# Altium PCB LimeSDR-QPCIe_1v2.PcbDoc (part 1 of 21) (continued)
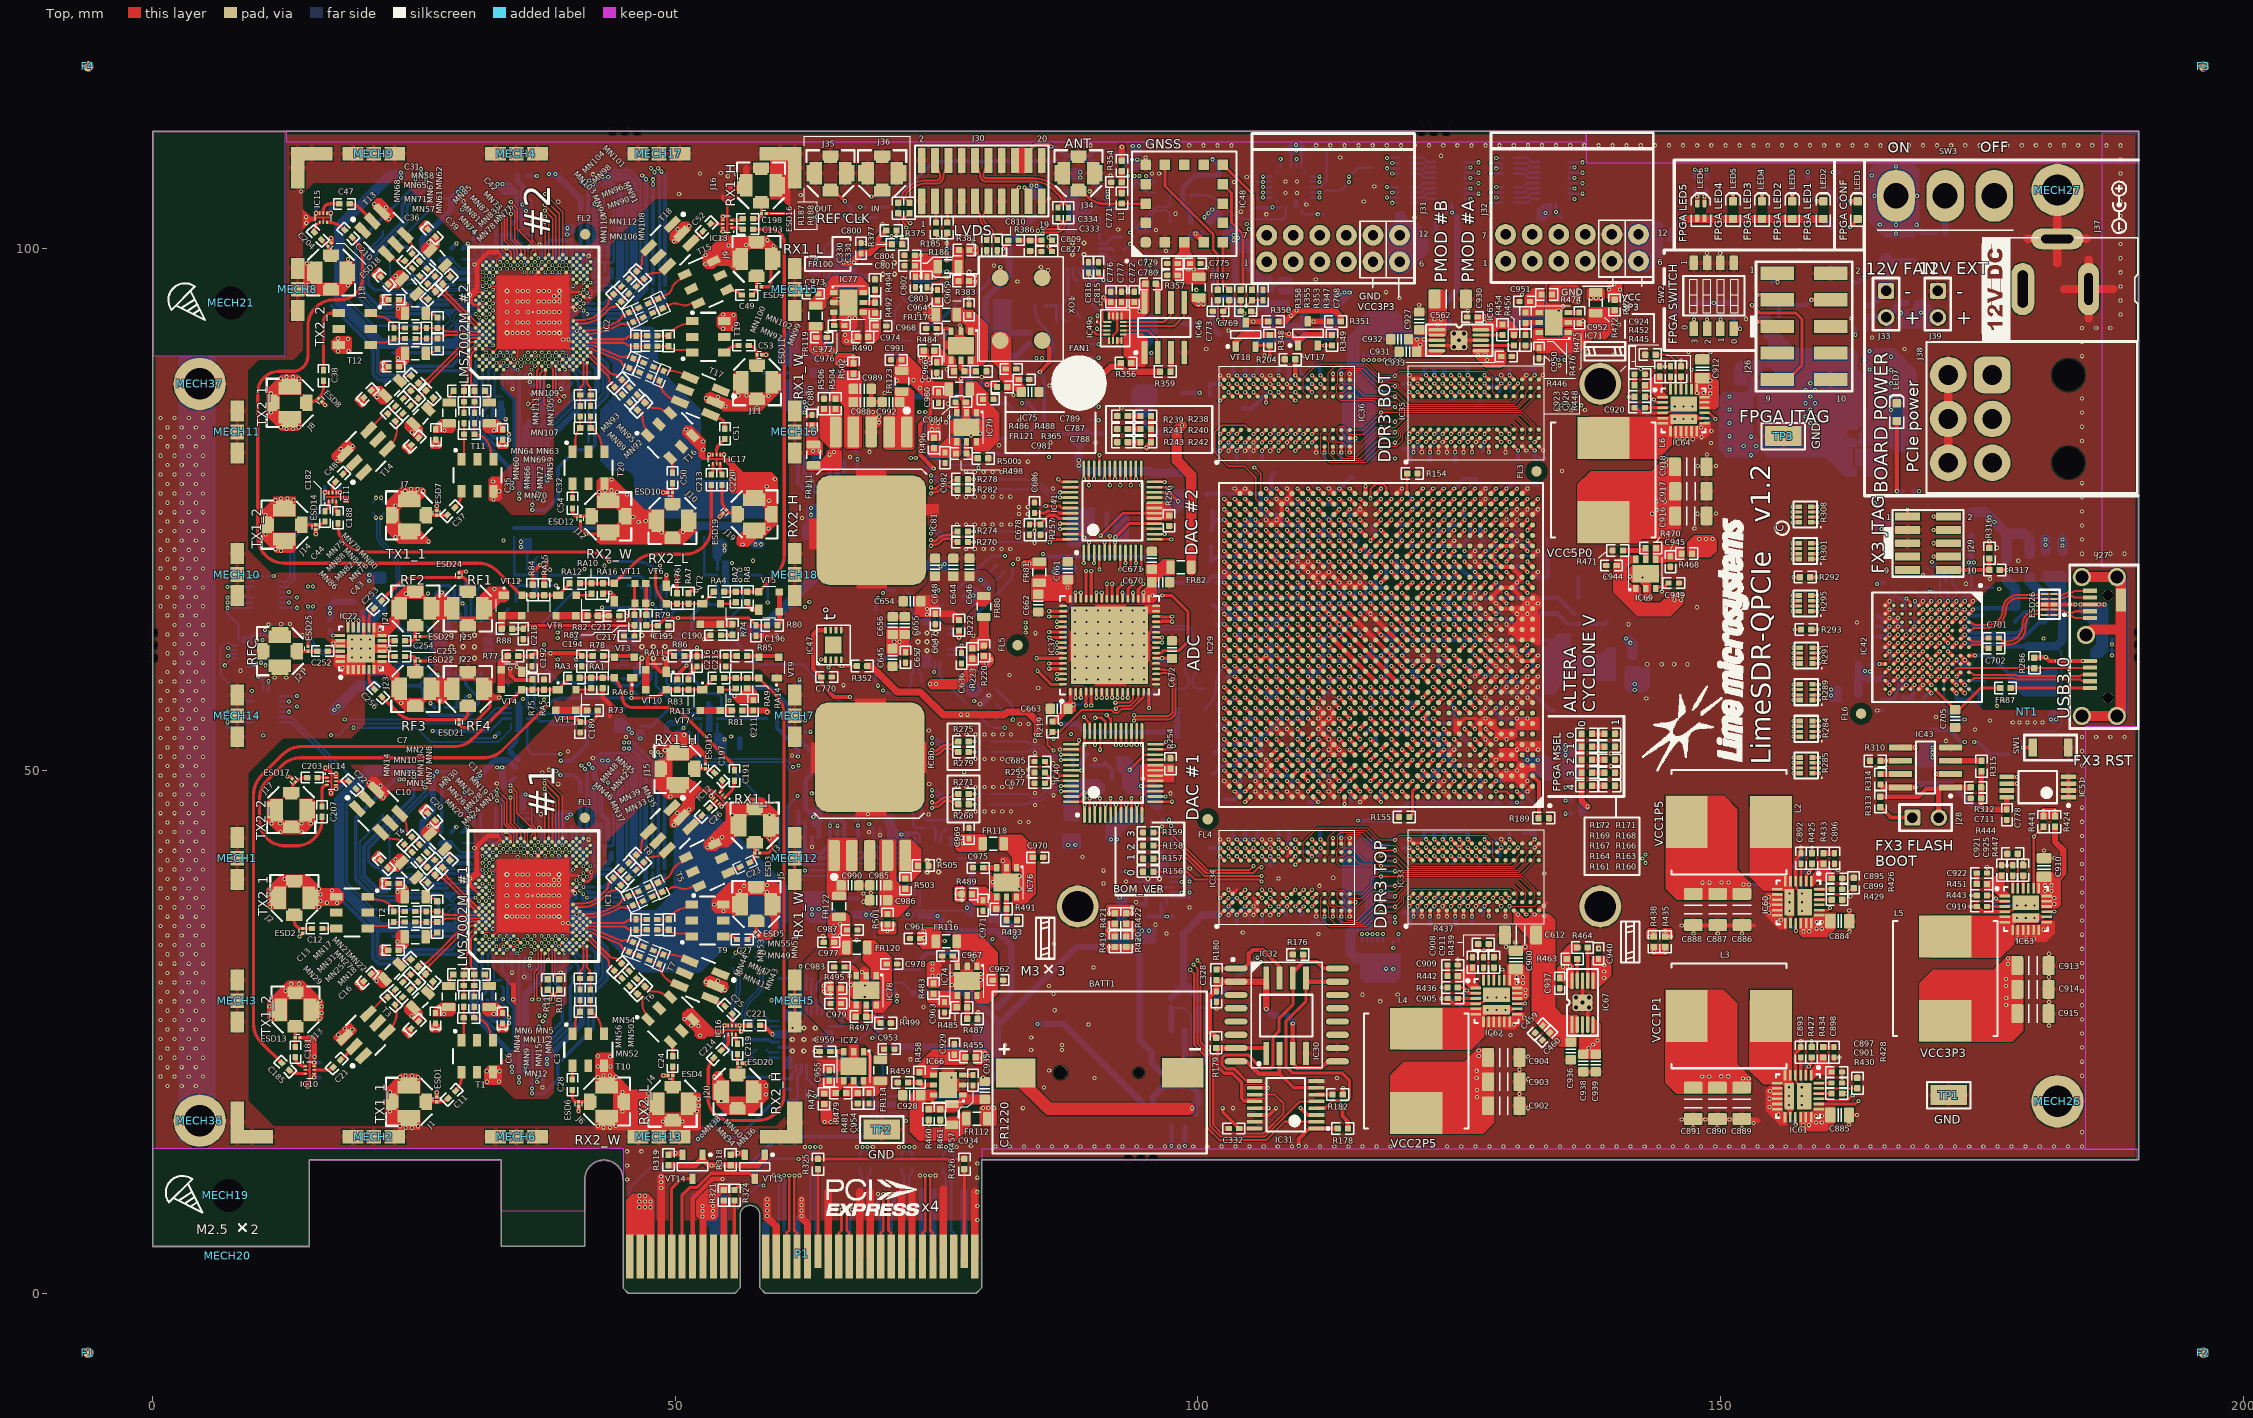
[diagram p0: Top view]
## Classes and differential pairs
net class +1.5V_DIG_LMK: +1.5V_DIG_LMK3
component class 10_RSSI1: C225 C226 C227 C228 C229 C230 C231 C232 C233 C234 C235 C236 C237 C238 C239 C240 C241 C242 C243 C244 C245 C246 C247 C248 C249 C250 C251 C252 C253 C254 C255 C256 C257 C258 C259 C260 C261 C262 C263 C264 C265 C266 C267 C268 C269 ESD21 ESD22 ESD23 ESD24 ESD25 FR71 FR72 FR73 FR74 IC18 IC19 IC20 IC21 IC22 J21 J22 J23 J24 J25 R89 R90 R91 R92 R93 R94 R95 R96 R97 R98 R99 R100 R101 R102 R103 R104 R105 R106 R107 R108 R109 R110 R111 R112 R113
net class LB_CTRL: LMS1_TX1_2_LB_AT LMS1_TX1_2_LB_H LMS1_TX1_2_LB_L LMS1_TX1_2_LB_SH LMS1_TX2_2_LB_H LMS1_TX2_2_LB_L LMS1_TX2_2_LB_SH LMS2_TX1_2_LB_AT LMS2_TX1_2_LB_H LMS2_TX1_2_LB_L LMS2_TX1_2_LB_SH LMS2_TX2_2_LB_H LMS2_TX2_2_LB_L LMS2_TX2_2_LB_SH
net class LMS2_MISC: LMS2_CORE_LDO_EN LMS2_RESET LMS2_RXEN LMS2_TXEN
net class BOM_VER: BOM_VER0 BOM_VER1 BOM_VER2 BOM_VER3
net class TX2_BB_Q: DAC2_IOUTB_N DAC2_IOUTB_P LMS1_TX2_BB_Q_N LMS1_TX2_BB_Q_P LMS2_TX2_BB_Q_N LMS2_TX2_BB_Q_P TX2_BB_Q_N TX2_BB_Q_P
net class TX2_BB_I: DAC2_IOUTA_N DAC2_IOUTA_P TX2_BB_I_N TX2_BB_I_P
net class TX2_BB_I_P: LMS1_TX2_BB_I_N LMS1_TX2_BB_I_P LMS2_TX2_BB_I_N LMS2_TX2_BB_I_P
net class VCC_CFX3: VCC_CFX3
net class VDIO_LMS2: VDIO_LMS2
net class VDIO_LMS1: VDIO_LMS1
net class FPGA_JTAG: FPGA_JTAG_TCK FPGA_JTAG_TDI FPGA_JTAG_TDO FPGA_JTAG_TMS
net class TX1_BB_Q: DAC1_IOUTB_N DAC1_IOUTB_P LMS1_TX1_BB_Q_N LMS1_TX1_BB_Q_P LMS2_TX1_BB_Q_N LMS2_TX1_BB_Q_P NetR115_2 TX1_BB_Q_N TX1_BB_Q_P
net class TX1_BB_I: DAC1_IOUTA_N DAC1_IOUTA_P LMS1_TX1_BB_I_N LMS1_TX1_BB_I_P LMS2_TX1_BB_I_N LMS2_TX1_BB_I_P NetR115_2 TX1_BB_I_N TX1_BB_I_P
net class RX_BB_Q: ADC_INA_N ADC_INA_P DRVB_N DRVB_P DRVBC_N DRVBC_P
net class LMS2_TX2_BB_Q: LMS2_TX2_BB_Q_P
net class LMS2_TX2_BB_I: LMS2_TX2_BB_I_N LMS2_TX2_BB_I_P
net class LMS2_TX1_BB_Q: LMS2_TX1_BB_Q_P
net class LMS2_TX1_BB_I: LMS2_TX1_BB_I_N LMS2_TX1_BB_I_P
net class LMS1_TX2_BB_Q: LMS1_TX2_BB_Q_P
net class LMS1_TX2_BB_I: LMS1_TX2_BB_I_N LMS1_TX2_BB_I_P
net class LMS1_TX1_BB_Q: LMS1_TX1_BB_Q_P
net class LMS1_TX1_BB_I: LMS1_TX1_BB_I_N LMS1_TX1_BB_I_P
net class LMS1_RX1_BB_Q: LMS1_RX1_BB_Q_N LMS1_RX1_BB_Q_P
net class LMS1_RX1_BB_I: LMS1_RX1_BB_I_P
net class PCIE: PCIE_HSI0_IC_N PCIE_HSI0_IC_P PCIE_HSI0_N PCIE_HSI0_P PCIE_HSI1_IC_N PCIE_HSI1_IC_P PCIE_HSI1_N PCIE_HSI1_P PCIE_HSI2_IC_N PCIE_HSI2_IC_P PCIE_HSI2_N PCIE_HSI2_P PCIE_HSI3_IC_N PCIE_HSI3_IC_P PCIE_HSI3_N PCIE_HSI3_P PCIE_HSO0_N PCIE_HSO0_P PCIE_HSO1_N PCIE_HSO1_P PCIE_HSO2_N PCIE_HSO2_P PCIE_HSO3_N PCIE_HSO3_P PCIE_REFCLK_N PCIE_REFCLK_P
net class FX3_GPIF1: NetIC14_AA23 NetIC14_AA24 NetIC14_AA25 NetIC14_AA26 NetIC14_AA28 NetIC14_AA29 NetIC14_AA30 NetIC14_AB26 NetIC14_AB27 NetIC14_AB28 NetIC14_AB29 NetIC14_AC24 NetIC14_AC26 NetIC14_AC27 NetIC14_AC29 NetIC14_AC30 NetIC14_AD23 NetIC14_AD24 NetIC14_AD25 NetIC14_AD27 NetIC14_AD28 NetIC14_AD29 NetIC14_AD30 NetIC14_AE23 NetIC14_AE25 NetIC14_AE26 NetIC14_AE27 NetIC14_AE28 NetIC14_AE30 NetIC14_AF24 NetIC14_AF25 NetIC14_AF26 NetIC14_AF28 NetIC14_AF29 NetIC14_AF30 NetIC14_AG27 NetIC14_AG28 NetIC14_AG29 NetIC14_AH27 NetIC14_AH29 NetIC14_AH30 NetIC14_AJ28 NetIC14_AJ29 NetIC14_AJ30 NetIC14_R26 NetIC14_R30 NetIC14_T25 NetIC14_T28 NetIC14_T29 NetIC14_T30 NetIC14_U26 NetIC14_U27 NetIC14_U28 NetIC14_U29 NetIC14_V21 NetIC14_V22 NetIC14_V24 NetIC14_V25 NetIC14_V26 NetIC14_V27 NetIC14_V29 NetIC14_V30 NetIC14_W22 NetIC14_W24 NetIC14_W27 NetIC14_W28 NetIC14_W29 NetIC14_Y21 NetIC14_Y22 NetIC14_Y23 NetIC14_Y25 NetIC14_Y26 NetIC14_Y27 NetIC14_Y28 NetIC42_F7 NetIC42_F8 NetIC42_F9 NetIC42_F10 NetIC42_G5 NetIC42_G6 NetIC42_G7 NetIC42_G8 NetIC42_G9 NetIC42_G10 NetIC42_H5 NetIC42_H6 NetIC42_H7 NetIC42_H8 NetIC42_H9 NetIC42_H10 NetIC42_J5 NetIC42_J6 NetIC42_J7 NetIC42_J8 NetIC42_J9 NetIC42_J10 NetIC42_K5 NetIC42_K6 NetIC42_K7 NetIC42_K8 NetIC42_K9 NetIC42_K10 NetIC42_K11 NetIC42_L10
net class DAC2_DATA: DAC2_DA0 DAC2_DA1 DAC2_DA2 DAC2_DA3 DAC2_DA4 DAC2_DA5 DAC2_DA6 DAC2_DA7 DAC2_DA8 DAC2_DA9 DAC2_DA10 DAC2_DA11 DAC2_DA12 DAC2_DA13 DAC2_DB0 DAC2_DB1 DAC2_DB2 DAC2_DB3 DAC2_DB4 DAC2_DB5 DAC2_DB6 DAC2_DB7 DAC2_DB8 DAC2_DB9 DAC2_DB10 DAC2_DB11 DAC2_DB12 DAC2_DB13
net class DAC1_DATA: DAC1_DA0 DAC1_DA1 DAC1_DA2 DAC1_DA3 DAC1_DA4 DAC1_DA5 DAC1_DA6 DAC1_DA7 DAC1_DA8 DAC1_DA9 DAC1_DA10 DAC1_DA11 DAC1_DA12 DAC1_DA13 DAC1_DB0 DAC1_DB1 DAC1_DB2 DAC1_DB3 DAC1_DB4 DAC1_DB5 DAC1_DB6 DAC1_DB7 DAC1_DB8 DAC1_DB9 DAC1_DB10 DAC1_DB11 DAC1_DB12 DAC1_DB13
component class 21_DAC: C675 C676 C677 C678 C679 C680 C681 C682 C683 C684 C685 C686 C687 C688 C689 C690 C691 C692 C693 C694 C695 C696 C697 C698 C699 C700 FR83 FR84 FR85 FR86 IC40 IC41 R244 R245 R246 R247 R248 R249 R250 R251 R252 R253 R254 R255 R256 R257 R258 R259 R260 R261 R262 R263 R264 R265 R266 R267 R268 R269 R270 R271 R272 R273 R274 R275 R276 R277 R278 R279 R280 R281 R282 R283
net class VTT_DDR: VTT_DDR3_BOT VTT_DDR3_TOP
net class SI_CLK: SI_CLK0 SI_CLK1 SI_CLK2 SI_CLK4 SI_CLK6 SI_CLK7
net class LMS2_PORT2: LMS2_DIQ2_D0 LMS2_DIQ2_D1 LMS2_DIQ2_D2 LMS2_DIQ2_D3 LMS2_DIQ2_D4 LMS2_DIQ2_D5 LMS2_DIQ2_D6 LMS2_DIQ2_D7 LMS2_DIQ2_D8 LMS2_DIQ2_D9 LMS2_DIQ2_D10 LMS2_DIQ2_D11 LMS2_ENABLE_IQSEL2 LMS2_FCLK2 LMS2_MCLK2 LMS2_TXNRX2
net class LMS1_PORT2: LMS1_DIQ2_D0 LMS1_DIQ2_D1 LMS1_DIQ2_D2 LMS1_DIQ2_D3 LMS1_DIQ2_D4 LMS1_DIQ2_D5 LMS1_DIQ2_D6 LMS1_DIQ2_D7 LMS1_DIQ2_D8 LMS1_DIQ2_D9 LMS1_DIQ2_D10 LMS1_DIQ2_D11 LMS1_ENABLE_IQSEL2 LMS1_FCLK2 LMS1_MCLK2 LMS1_TXNRX2
net class LMS1_MISC: LMS1_CORE_LDO_EN LMS1_RESET LMS1_RXEN LMS1_TXEN
net class LMS2_PORT1: LMS2_DIQ1_D0 LMS2_DIQ1_D1 LMS2_DIQ1_D2 LMS2_DIQ1_D3 LMS2_DIQ1_D4 LMS2_DIQ1_D5 LMS2_DIQ1_D6 LMS2_DIQ1_D7 LMS2_DIQ1_D8 LMS2_DIQ1_D9 LMS2_DIQ1_D10 LMS2_DIQ1_D11 LMS2_ENABLE_IQSEL1 LMS2_FCLK1 LMS2_MCLK1 LMS2_TXNRX1
net class LMS1_PORT1: LMS1_DIQ1_D0 LMS1_DIQ1_D1 LMS1_DIQ1_D2 LMS1_DIQ1_D3 LMS1_DIQ1_D4 LMS1_DIQ1_D5 LMS1_DIQ1_D6 LMS1_DIQ1_D7 LMS1_DIQ1_D8 LMS1_DIQ1_D9 LMS1_DIQ1_D10 LMS1_DIQ1_D11 LMS1_ENABLE_IQSEL1 LMS1_FCLK1 LMS1_MCLK1 LMS1_TXNRX1
net class LMS2_I2C: LMS2_I2C_SCL LMS2_I2C_SDA
net class LMS1_I2C: LMS1_I2C_SCL LMS1_I2C_SDA
net class FX3_SPI: FPGA_SPI1_MISO FPGA_SPI1_MOSI FPGA_SPI1_SCLK
net class FX3_FPGA_GPIO: FX3_FPGA_GPIO0 FX3_FPGA_GPIO1 FX3_FPGA_GPIO2 FX3_FPGA_GPIO3 FX3_FPGA_GPIO4 FX3_FPGA_GPIO5
net class FX3_DQ[0..15]: FX3_DQ0 FX3_DQ1 FX3_DQ2 FX3_DQ3 FX3_DQ4 FX3_DQ5 FX3_DQ6 FX3_DQ7 FX3_DQ8 FX3_DQ9 FX3_DQ10 FX3_DQ11 FX3_DQ12 FX3_DQ13 FX3_DQ14 FX3_DQ15
net class FX3_DATA: FX3_USB_SSTX_IC_N FX3_USB_SSTX_IC_P
net class FX3_CTL[0..12]: FX3_CTL0 FX3_CTL1 FX3_CTL2 FX3_CTL3 FX3_CTL4 FX3_CTL5 FX3_CTL6 FX3_CTL7 FX3_CTL8 FX3_CTL9 FX3_CTL10 FX3_CTL11 FX3_CTL12
net class FPGA_SPI: FPGA_SPI0_LMS2_SS FPGA_SPI0_MISO_LMS2 FPGA_SPI0_MOSI FPGA_SPI0_SCLK NetC2_1 NetIC2_D28 NetIC2_F28 NetIC2_F30
net class FPGA_MSEL: MSEL0 MSEL1 MSEL2 MSEL3 MSEL4
net class FPGA_CONF: FPGA_AS_DCLK FPGA_CONF_DONE FPGA_NCONFIG FPGA_NSTATUS
net class DDR3_TOP_DQ: DDR3_TOP_DQ0 DDR3_TOP_DQ1 DDR3_TOP_DQ2 DDR3_TOP_DQ3 DDR3_TOP_DQ4 DDR3_TOP_DQ5 DDR3_TOP_DQ6 DDR3_TOP_DQ7 DDR3_TOP_DQ8 DDR3_TOP_DQ9 DDR3_TOP_DQ10 DDR3_TOP_DQ11 DDR3_TOP_DQ12 DDR3_TOP_DQ13 DDR3_TOP_DQ14 DDR3_TOP_DQ15 DDR3_TOP_DQ16 DDR3_TOP_DQ17 DDR3_TOP_DQ18 DDR3_TOP_DQ19 DDR3_TOP_DQ20 DDR3_TOP_DQ21 DDR3_TOP_DQ22 DDR3_TOP_DQ23 DDR3_TOP_DQ24 DDR3_TOP_DQ25 DDR3_TOP_DQ26 DDR3_TOP_DQ27 DDR3_TOP_DQ28 DDR3_TOP_DQ29 DDR3_TOP_DQ30 DDR3_TOP_DQ31
net class DDR3_TOP_DQ[0..31]: DDR3_TOP_DQ0 DDR3_TOP_DQ1 DDR3_TOP_DQ2 DDR3_TOP_DQ3 DDR3_TOP_DQ4 DDR3_TOP_DQ5 DDR3_TOP_DQ6 DDR3_TOP_DQ7 DDR3_TOP_DQ8 DDR3_TOP_DQ9 DDR3_TOP_DQ10 DDR3_TOP_DQ11 DDR3_TOP_DQ12 DDR3_TOP_DQ13 DDR3_TOP_DQ14 DDR3_TOP_DQ15 DDR3_TOP_DQ16 DDR3_TOP_DQ17 DDR3_TOP_DQ18 DDR3_TOP_DQ19 DDR3_TOP_DQ20 DDR3_TOP_DQ21 DDR3_TOP_DQ22 DDR3_TOP_DQ23 DDR3_TOP_DQ24 DDR3_TOP_DQ25 DDR3_TOP_DQ26 DDR3_TOP_DQ27 DDR3_TOP_DQ28 DDR3_TOP_DQ29 DDR3_TOP_DQ30 DDR3_TOP_DQ31
net class DDR3_TOP_CK: DDR3_TOP_CK_N DDR3_TOP_CK_P
net class DDR3_TOP_BA: DDR3_BOT_BA0 DDR3_BOT_BA1 DDR3_BOT_BA2 DDR3_TOP_BA0 DDR3_TOP_BA1 DDR3_TOP_BA2
net class DDR3_TOP_BA[0..2]: DDR3_TOP_BA0 DDR3_TOP_BA1 DDR3_TOP_BA2
net class DDR3_TOP_A: DDR3_TOP_A0 DDR3_TOP_A1 DDR3_TOP_A2 DDR3_TOP_A3 DDR3_TOP_A4 DDR3_TOP_A5 DDR3_TOP_A6 DDR3_TOP_A7 DDR3_TOP_A8 DDR3_TOP_A9 DDR3_TOP_A10 DDR3_TOP_A11 DDR3_TOP_A12 DDR3_TOP_A13
net class DDR3_TOP_A[0..13]: DDR3_TOP_A0 DDR3_TOP_A1 DDR3_TOP_A2 DDR3_TOP_A3 DDR3_TOP_A4 DDR3_TOP_A5 DDR3_TOP_A6 DDR3_TOP_A7 DDR3_TOP_A8 DDR3_TOP_A9 DDR3_TOP_A10 DDR3_TOP_A11 DDR3_TOP_A12 DDR3_TOP_A13
net class DDR3_BOT_DQ: DDR3_BOT_DQ0 DDR3_BOT_DQ1 DDR3_BOT_DQ2 DDR3_BOT_DQ3 DDR3_BOT_DQ4 DDR3_BOT_DQ5 DDR3_BOT_DQ6 DDR3_BOT_DQ7 DDR3_BOT_DQ8 DDR3_BOT_DQ9 DDR3_BOT_DQ10 DDR3_BOT_DQ11 DDR3_BOT_DQ12 DDR3_BOT_DQ13 DDR3_BOT_DQ14 DDR3_BOT_DQ15 DDR3_BOT_DQ16 DDR3_BOT_DQ17 DDR3_BOT_DQ18 DDR3_BOT_DQ19 DDR3_BOT_DQ20 DDR3_BOT_DQ21 DDR3_BOT_DQ22 DDR3_BOT_DQ23 DDR3_BOT_DQ24 DDR3_BOT_DQ25 DDR3_BOT_DQ26 DDR3_BOT_DQ27 DDR3_BOT_DQ28 DDR3_BOT_DQ29 DDR3_BOT_DQ30 DDR3_BOT_DQ31
net class DDR3_BOT_DQ[0..31]: DDR3_BOT_DQ0 DDR3_BOT_DQ1 DDR3_BOT_DQ2 DDR3_BOT_DQ3 DDR3_BOT_DQ4 DDR3_BOT_DQ5 DDR3_BOT_DQ6 DDR3_BOT_DQ7 DDR3_BOT_DQ8 DDR3_BOT_DQ9 DDR3_BOT_DQ10 DDR3_BOT_DQ11 DDR3_BOT_DQ12 DDR3_BOT_DQ13 DDR3_BOT_DQ14 DDR3_BOT_DQ15 DDR3_BOT_DQ16 DDR3_BOT_DQ17 DDR3_BOT_DQ18 DDR3_BOT_DQ19 DDR3_BOT_DQ20 DDR3_BOT_DQ21 DDR3_BOT_DQ22 DDR3_BOT_DQ23 DDR3_BOT_DQ24 DDR3_BOT_DQ25 DDR3_BOT_DQ26 DDR3_BOT_DQ27 DDR3_BOT_DQ28 DDR3_BOT_DQ29 DDR3_BOT_DQ30 DDR3_BOT_DQ31
net class DDR3_BOT_CK: DDR3_BOT_CK_N DDR3_BOT_CK_P
net class DDR3_BOT_BA[0..2]: DDR3_BOT_BA0 DDR3_BOT_BA1 DDR3_BOT_BA2
net class DDR3_BOT_A: DDR3_BOT_A0 DDR3_BOT_A1 DDR3_BOT_A2 DDR3_BOT_A3 DDR3_BOT_A4 DDR3_BOT_A5 DDR3_BOT_A6 DDR3_BOT_A7 DDR3_BOT_A8 DDR3_BOT_A9 DDR3_BOT_A10 DDR3_BOT_A11 DDR3_BOT_A12 DDR3_BOT_A13
net class DDR3_BOT_A[0..13]: DDR3_BOT_A0 DDR3_BOT_A1 DDR3_BOT_A2 DDR3_BOT_A3 DDR3_BOT_A4 DDR3_BOT_A5 DDR3_BOT_A6 DDR3_BOT_A7 DDR3_BOT_A8 DDR3_BOT_A9 DDR3_BOT_A10 DDR3_BOT_A11 DDR3_BOT_A12 DDR3_BOT_A13
net class +3.3V_DIG_LMK: +3.3V_DIG_LMK
net class +1.8V_DIG_LMK: +1.8V_DIG_LMK
component class "28_BoardPowerSupply 2": BATT1 C927 C928 C929 C930 C931 C932 C933 C934 C935 C936 C937 C938 C939 C940 C941 C942 C943 C944 C945 C946 C947 C948 C949 C950 C951 C952 FR112 FR113 IC65 IC66 IC67 IC68 IC69 IC70 IC71 R454 R455 R456 R457 R458 R459 R460 R461 R462 R463 R464 R465 R466 R467 R468 R469 R470 R471 R472 R473 R474 R475 R476
component class "27_BoardPowerSupply 1": C867 C868 C869 C870 C871 C872 C873 C874 C875 C876 C877 C878 C879 C880 C881 C882 C883 C884 C885 C886 C887 C888 C889 C890 C891 C892 C893 C894 C895 C896 C897 C898 C899 C900 C901 C902 C903 C904 C905 C906 C907 C908 C909 C910 C911 C912 C913 C914 C915 C916 C917 C918 C919 C920 C921 C922 C923 C924 C925 C926 FR110 FR111 IC58 IC59 IC60 IC61 IC62 IC63 IC64 J37 J38 J39 L2 L3 L4 L5 L6 LED7 R417 R418 R419 R420 R421 R422 R423 R424 R425 R426 R427 R428 R429 R430 R431 R432 R433 R434 R435 R436 R437 R438 R439 R440 R441 R442 R443 R444 R445 R446 R447 R448 R449 R450 R451 R452 R453 SW3 VD1 VT19 VT20
component class 24_Peripherals: C758 C759 C760 C761 C762 C763 C764 C765 C766 C767 C768 C769 C770 C771 C772 C773 C774 C775 C776 C777 C778 C779 C780 C781 FR97 IC44 IC45 IC46 IC47 IC48 IC49 IC50 IC51 J31 J32 J33 J34 L1 LED2 LED3 LED4 LED5 LED6 R327 R328 R329 R330 R331 R332 R333 R334 R335 R336 R337 R338 R339 R340 R341 R342 R343 R344 R345 R346 R347 R348 R349 R350 R351 R352 R353 R354 R355 R356 R357 R358 R359 R360 R361 R362 R363 SW2 VT16 VT17 VT18
component class 23_PCIe: C747 C748 C749 C750 C751 C752 C753 C754 C755 C756 C757 J30 MECH19 MECH20 MECH21 P1 R318 R319 R320 R321 R322 R323 R324 R325 R326 VT14 VT15
component class 26_Clocks_2: C833 C834 C835 C836 C837 C838 C839 C840 C841 C842 C843 C844 C845 C846 C847 C848 C849 C850 C851 C852 C853 C854 C855 C856 C857 C858 C859 C860 C861 C862 C863 C864 C865 C866 FR103 FR104 FR105 FR106 FR107 FR108 FR109 IC55 IC56 IC57 R410 R411 R412 R413 R414 R415 R416 XO5 XO6 XO7 XO8 XO9 XT2 XT3 XT8 XT9 XT10
component class 25_Clocks_1: C782 C783 C784 C785 C786 C787 C788 C789 C790 C791 C792 C793 C794 C795 C796 C797 C798 C799 C800 C801 C802 C803 C804 C805 C806 C807 C808 C809 C810 C811 C812 C813 C814 C815 C816 C817 C818 C819 C820 C821 C822 C823 C824 C825 C826 C827 C828 C829 C830 C831 C832 FR98 FR99 FR100 FR101 FR102 IC52 IC53 IC54 J35 J36 R364 R365 R366 R367 R368 R369 R370 R371 R372 R373 R374 R375 R376 R377 R378 R379 R380 R381 R382 R383 R384 R385 R386 R387 R388 R389 R390 R391 R392 R393 R394 R395 R396 R397 R398 R399 R400 R401 R402 R403 R404 R405 R406 R407 R408 R409 XO1 XO2 XO3 XO4
component class 22_USB3_0_device: C701 C702 C703 C704 C705 C706 C707 C708 C709 C710 C711 C712 C713 C714 C715 C716 C717 C718 C719 C720 C721 C722 C723 C724 C725 C726 C727 C728 C729 C730 C731 C732 C733 C734 C735 C736 C737 C738 C739 C740 C741 C742 C743 C744 C745 C746 ESD26 FL6 FR87 FR88 FR89 FR90 FR91 FR92 FR93 FR94 FR95 FR96 IC42 IC43 J27 J28 J29 NT1 R284 R285 R286 R287 R288 R289 R290 R291 R292 R293 R294 R295 R296 R297 R298 R299 R300 R301 R302 R303 R304 R305 R306 R307 R308 R309 R310 R311 R312 R313 R314 R315 R316 R317 SW1 XT1
component class 20_ADC: C274 C636 C637 C638 C639 C640 C641 C642 C643 C644 C645 C646 C647 C648 C649 C650 C651 C652 C653 C654 C655 C656 C657 C658 C659 C660 C661 C662 C663 C664 C665 C666 C667 C668 C669 C670 C671 C672 C673 C674 FL5 FR80 FR81 FR82 IC37 IC38 IC39 IC? R73 R118 R208 R209 R210 R211 R212 R213 R214 R215 R216 R217 R218 R219 R220 R221 R222 R223 R224 R225 R226 R227 R228 R229 R230 R231 R232 R233 R234 R235 R236 R237 R238 R239 R240 R241 R242 R243
component class 15_FPGA_misc_banks: C318 C319 C320 C321 C322 C323 C324 C325 C326 C327 C328 C329 C330 C331 C332 C333 C334 IC30 IC31 IC32 J26 LED1 R160 R161 R162 R163 R164 R165 R166 R167 R168 R169 R170 R171 R172 R173 R174 R175 R176 R177 R178 R179 R180 R181 R182 R183 R184 R185 R186 R187 R188 R189 VT13
component class 14_FPGA_banks_7A_8A: R155 R156 R157 R158 R159
component class 12_FPGA_banks_3A_3B_4A: FL3 FL4 IC29 R154
component class 08_LMS7002M_2_Power: C116 C117 C118 C119 C120 C121 C122 C123 C124 C125 C126 C127 C128 C129 C130 C131 C132 C133 C134 C135 C136 C137 C138 C139 C140 C141 C142 C143 C144 C145 C146 C147 C148 C149 C150 C151 C152 C153 C154 C155 C156 C157 C158 C159 C160 C161 C162 C163 C164 C165 C166 C167 C168 C169 C170 C171 C172 C173 C174 C175 C176 FR36 FR37 FR38 FR39 FR40 FR41 FR42 FR43 FR44 FR45 FR46 FR47 FR48 FR49 FR50 FR51 FR52 FR53 FR54 FR55 FR56 FR57 FR58 FR59 FR60 FR61 FR62 FR63 FR64 FR65 FR66 FR67 FR68 FR69 FR70 IC5 IC6 R56 R57 R58 R59 R60 R61 R62 R63 R64 R65 R66 R67 R68 R69 R70 R71 R72
component class 05_LMS7002M_1_RF: C3 C4 C5 C6 C7 C8 C9 C10 C11 C12 C13 C14 C15 C16 C17 C18 C19 C20 C21 C22 C23 C24 C25 C26 C27 C28 ESD1 ESD2 ESD3 ESD4 ESD5 ESD6 J1 J2 J3 J4 J5 J6 MN1 MN2 MN3 MN4 MN5 MN6 MN7 MN8 MN9 MN10 MN11 MN12 MN13 MN14 MN15 MN16 MN17 MN18 MN19 MN20 MN21 MN22 MN23 MN24 MN25 MN26 MN27 MN28 MN29 MN30 MN31 MN32 MN33 MN34 MN35 MN36 MN37 MN38 MN39 MN40 MN41 MN42 MN43 MN44 MN45 MN46 MN47 MN48 MN49 MN50 MN51 MN52 MN53 MN54 MN55 MN56 T1 T2 T3 T4 T5 T6 T7 T8 T9 T10
component class 04_LMS7002M_Digital: C1 C2 FL1 FL2 IC1 IC2 R1 R2 R3 R4 R5 R6 R7 R8 R9 R10 R11 R12 R13 R14 R15 R16 R17 R18 R19 R20 R21 R22 R23 R24 R25 R26 R27 R28 R29 R30 R31 R32 R33 R34 R35 R36 R37 R38
net class CLK_PATH: LMS1_RXPLL_CLK LMS1_TXPLL_CLK LMS2_RXPLL_CLK LMS2_TXPLL_CLK NetC180_1 NetC249_1 NetC782_1 NetC782_2 NetC783_1 NetC836_1 NetIC52_1 NetIC52_3 NetIC52_5 NetIC52_7 NetR92_1 NetR379_2 NetR384_1 REF_CLK_IN
net class RX_RF: RXRF11_HAB_N RXRF11_HAB_P RXRF11_HBB_N RXRF11_HBB_P RXRF11_LAB_N RXRF11_LAB_P RXRF11_LBB_N RXRF11_LBB_P RXRF11_WAB_N RXRF11_WAB_P RXRF11_WBB_N RXRF11_WBB_P RXRF12_HAB_N RXRF12_HAB_P RXRF12_HBB_N RXRF12_HBB_P RXRF12_LAB_N RXRF12_LAB_P RXRF12_LBB_N RXRF12_LBB_P RXRF12_WAB_N RXRF12_WAB_P RXRF12_WBB_N RXRF12_WBB_P RXRF21_HAB_N RXRF21_HAB_P RXRF21_HBB_N RXRF21_HBB_P RXRF21_LAB_N RXRF21_LAB_P RXRF21_LBB_N RXRF21_LBB_P RXRF21_WAB_N RXRF21_WAB_P RXRF21_WBB_N RXRF21_WBB_P RXRF22_HAB_N RXRF22_HAB_P RXRF22_HBB_N RXRF22_HBB_P RXRF22_LAB_N RXRF22_LAB_P RXRF22_LBB_N RXRF22_LBB_P RXRF22_WAB_N RXRF22_WAB_P RXRF22_WBB_N RXRF22_WBB_P
net class TX_RF: TXRF11_1AB_N TXRF11_1AB_P TXRF11_1BB_N TXRF11_1BB_P TXRF11_2AB_N TXRF11_2AB_P TXRF11_2BB_N TXRF11_2BB_P TXRF12_1AB_N TXRF12_1AB_P TXRF12_1BB_N TXRF12_1BB_P TXRF12_2AB_N TXRF12_2AB_P TXRF12_2BB_N TXRF12_2BB_P TXRF21_1AB_N TXRF21_1AB_P TXRF21_1BB_N TXRF21_1BB_P TXRF21_2AB_N TXRF21_2AB_P TXRF21_2BB_N TXRF21_2BB_P TXRF22_1AB_N TXRF22_1AB_P TXRF22_1BB_N TXRF22_1BB_P TXRF22_2AB_N TXRF22_2AB_P TXRF22_2BB_N TXRF22_2BB_P
component class 07_LMS7002M_1_Power: C55 C56 C57 C58 C59 C60 C61 C62 C63 C64 C65 C66 C67 C68 C69 C70 C71 C72 C73 C74 C75 C76 C77 C78 C79 C80 C81 C82 C83 C84 C85 C86 C87 C88 C89 C90 C91 C92 C93 C94 C95 C96 C97 C98 C99 C100 C101 C102 C103 C104 C105 C106 C107 C108 C109 C110 C111 C112 C113 C114 C115 FR1 FR2 FR3 FR4 FR5 FR6 FR7 FR8 FR9 FR10 FR11 FR12 FR13 FR14 FR15 FR16 FR17 FR18 FR19 FR20 FR21 FR22 FR23 FR24 FR25 FR26 FR27 FR28 FR29 FR30 FR31 FR32 FR33 FR34 FR35 IC3 IC4 R39 R40 R41 R42 R43 R44 R45 R46 R47 R48 R49 R50 R51 R52 R53 R54 R55
component class 06_LMS7002M_2_RF: C29 C30 C31 C32 C33 C34 C35 C36 C37 C38 C39 C40 C41 C42 C43 C44 C45 C46 C47 C48 C49 C50 C51 C52 C53 C54 ESD7 ESD8 ESD9 ESD10 ESD11 ESD12 J7 J8 J9 J10 J11 J12 MN57 MN58 MN59 MN60 MN61 MN62 MN63 MN64 MN65 MN66 MN67 MN68 MN69 MN70 MN71 MN72 MN73 MN74 MN75 MN76 MN77 MN78 MN79 MN80 MN81 MN82 MN83 MN84 MN85 MN86 MN87 MN88 MN89 MN90 MN91 MN92 MN93 MN94 MN95 MN96 MN97 MN98 MN99 MN100 MN101 MN102 MN103 MN104 MN105 MN106 MN107 MN108 MN109 MN110 MN111 MN112 T11 T12 T13 T14 T15 T16 T17 T18 T19 T20
component class 09_RF_Loopback: C177 C178 C179 C180 C181 C182 C183 C184 C185 C186 C187 C188 C189 C190 C191 C192 C193 C194 C195 C196 C197 C198 C199 C200 C201 C202 C203 C204 C205 C206 C207 C208 C209 C210 C211 C212 C213 C214 C215 C216 C217 C218 C219 C220 C221 C222 C223 C224 ESD13 ESD14 ESD15 ESD16 ESD17 ESD18 ESD19 ESD20 IC7 IC8 IC9 IC10 IC11 IC12 IC13 IC14 IC15 IC16 IC17 J13 J14 J15 J16 J17 J18 J19 J20 MECH1 MECH2 MECH3 MECH4 MECH5 MECH6 MECH7 MECH8 MECH9 MECH10 MECH11 MECH12 MECH13 MECH14 MECH15 MECH16 MECH17 MECH18 R73 R74 R75 R76 R77 R78 R79 R80 R81 R82 R83 R84 R85 R86 R87 R88 R95 RA1 RA2 RA3 RA4 RA5 RA6 RA7 RA8 RA9 RA10 RA11 RA12 RA13 RA14 RA15 RA16 VT1 VT2 VT3 VT4 VT5 VT6 VT7 VT8 VT9 VT10 VT11 VT12
net class ADC_DB: ADC_CLKOUT_N ADC_CLKOUT_P ADC_DA0_N ADC_DA0_P ADC_DA1_N ADC_DA1_P ADC_DA2_N ADC_DA2_P ADC_DA3_N ADC_DA3_P ADC_DA4_N ADC_DA4_P ADC_DA5_N ADC_DA5_P ADC_DA6_N ADC_DA6_P ADC_DB0_N ADC_DB0_P ADC_DB1_N ADC_DB1_P ADC_DB2_N ADC_DB2_P ADC_DB3_N ADC_DB3_P ADC_DB4_N ADC_DB4_P ADC_DB5_N ADC_DB5_P ADC_DB6_N ADC_DB6_P
net class RX_BB_I: ADC_INB_N ADC_INB_P DRVA_N DRVA_P DRVAC_N DRVAC_P
net class FX3_GPIF2: FX3_CTL0 FX3_CTL1 FX3_CTL2 FX3_CTL3 FX3_CTL4 FX3_CTL5 FX3_CTL6 FX3_CTL7 FX3_CTL8 FX3_CTL9 FX3_CTL10 FX3_CTL11 FX3_CTL12 FX3_DQ0 FX3_DQ1 FX3_DQ2 FX3_DQ3 FX3_DQ4 FX3_DQ5 FX3_DQ6 FX3_DQ7 FX3_DQ8 FX3_DQ9 FX3_DQ10 FX3_DQ11 FX3_DQ12 FX3_DQ13 FX3_DQ14 FX3_DQ15 FX3_PCLK
component class 29_LMS7002M_PowerSupply: C953 C954 C955 C956 C957 C958 C959 C960 C961 C962 C963 C964 C965 C966 C967 C968 C969 C970 C971 C972 C973 C974 C975 C976 C977 C978 C979 C980 C981 C982 C983 C984 C985 C986 C987 C988 C989 C990 C991 C992 F1 F2 F3 F4 F5 F6 F7 F8 FAN1 FL7 FL8 FL9 FR114 FR115 FR116 FR117 FR118 FR119 FR120 FR121 FR122 FR123 IC72 IC73 IC74 IC75 IC76 IC77 IC78 IC79 IC80 IC81 MECH25 MECH26 MECH27 MECH35 MECH36 MECH37 R477 R478 R479 R480 R481 R482 R483 R484 R485 R486 R487 R488 R489 R490 R491 R492 R493 R494 R495 R496 R497 R498 R499 R500 R501 R502 R503 R504 R505 R506 TP1 TP2 TP3 TP4 TP5
net class VCC1P4_LMS1: VCC1P4_LMS1
net class VCC1P4_LMS2: VCC1P4_LMS2
net class VCC1P8_LMS1: VCC1P8_LMS1_A VCC1P8_LMS1_B
net class VCC1P8_LMS2: VCC1P8_LMS2_A VCC1P8_LMS2_B
net class VCC1P25_LMS1_DIG: VCC1P25_LMS1_DIG
net class VCC1P25_LMS1: VCC1P25_LMS1
net class VCC1P25_LMS2_DIG: VCC1P25_LMS2_DIG
net class VCC1P25_LMS2: VCC1P25_LMS2
net class VDIO_LMS_FPGA: VDIO_LMS_FPGA
net class FPGA_SWITCH: FPGA_SW0 FPGA_SW1 FPGA_SW2 FPGA_SW3
net class PMOD_A: PMOD_A_PIN1 PMOD_A_PIN1_LS PMOD_A_PIN2 PMOD_A_PIN2_LS PMOD_A_PIN3 PMOD_A_PIN3_LS PMOD_A_PIN4 PMOD_A_PIN4_LS PMOD_A_PIN7 PMOD_A_PIN7_LS PMOD_A_PIN8 PMOD_A_PIN8_LS PMOD_A_PIN9 PMOD_A_PIN9_LS PMOD_A_PIN10 PMOD_A_PIN10_LS
net class VCC12P0_PCIE: VCC12P0_PCIE
net class VCC12P0: VCC12P0
net class PMOD_B: PMOD_B_PIN1 PMOD_B_PIN1_LS PMOD_B_PIN2 PMOD_B_PIN2_LS PMOD_B_PIN3 PMOD_B_PIN3_LS PMOD_B_PIN4 PMOD_B_PIN4_LS PMOD_B_PIN7 PMOD_B_PIN7_LS PMOD_B_PIN8 PMOD_B_PIN8_LS PMOD_B_PIN9 PMOD_B_PIN9_LS PMOD_B_PIN10 PMOD_B_PIN10_LS
net class LVDS: EXT_GXB_CLK_IC_N EXT_GXB_CLK_IC_P EXT_GXB_CLK_N EXT_GXB_CLK_P EXT_GXB_RX6_IC_N EXT_GXB_RX6_IC_P EXT_GXB_RX6_N EXT_GXB_RX6_P EXT_GXB_RX7_IC_N EXT_GXB_RX7_IC_P EXT_GXB_RX7_N EXT_GXB_RX7_P EXT_GXB_TX6_IC_N EXT_GXB_TX6_IC_P EXT_GXB_TX6_N EXT_GXB_TX6_P EXT_GXB_TX7_IC_N EXT_GXB_TX7_IC_P EXT_GXB_TX7_N EXT_GXB_TX7_P
component class 19_DDR3_BOT: C586 C587 C588 C589 C590 C591 C592 C593 C594 C595 C596 C597 C598 C599 C600 C601 C602 C603 C604 C605 C606 C607 C608 C609 C610 C611 C612 C613 C614 C615 C616 C617 C618 C619 C620 C621 C622 C623 C624 C625 C626 C627 C628 C629 C630 C631 C632 C633 C634 C635 IC35 IC36 R200 R201 R202 R203 R204 R205 R206 R207
component class 18_DDR3_TOP: C536 C537 C538 C539 C540 C541 C542 C543 C544 C545 C546 C547 C548 C549 C550 C551 C552 C553 C554 C555 C556 C557 C558 C559 C560 C561 C562 C563 C564 C565 C566 C567 C568 C569 C570 C571 C572 C573 C574 C575 C576 C577 C578 C579 C580 C581 C582 C583 C584 C585 IC33 IC34 R192 R193 R194 R195 R196 R197 R198 R199
component class 16_FPGA_pwr_banks: C335 C336 C337 C338 C339 C340 C341 C342 C343 C344 C345 C346 C347 C348 C349 C350 C351 C352 C353 C354 C355 C356 C357 C358 C359 C360 C361 C362 C363 C364 C365 C366 C367 C368 C369 C370 C371 C372 C373 C374 C375 C376 C377 C378 C379 C380 C381 C382 C383 C384 C385 C386 C387 C388 C389 FR77 FR78 FR79 R190 R191
component class 17_FPGA_decoupling: C390 C391 C392 C393 C394 C395 C396 C397 C398 C399 C400 C401 C402 C403 C404 C405 C406 C407 C408 C409 C410 C411 C412 C413 C414 C415 C416 C417 C418 C419 C420 C421 C422 C423 C424 C425 C426 C427 C428 C429 C430 C431 C432 C433 C434 C435 C436 C437 C438 C439 C440 C441 C442 C443 C444 C445 C446 C447 C448 C449 C450 C451 C452 C453 C454 C455 C456 C457 C458 C459 C460 C461 C462 C463 C464 C465 C466 C467 C468 C469 C470 C471 C472 C473 C474 C475 C476 C477 C478 C479 C480 C481 C482 C483 C484 C485 C486 C487 C488 C489 C490 C491 C492 C493 C494 C495 C496 C497 C498 C499 C500 C501 C502 C503 C504 C505 C506 C507 C508 C509 C510 C511 C512 C513 C514 C515 C516 C517 C518 C519 C520 C521 C522 C523 C524 C525 C526 C527 C528 C529 C530 C531 C532 C533 C534 C535
net class FPGA_LEDS: FPGA_LED1 FPGA_LED2 FPGA_LED3 FPGA_LED4 FPGA_LED5_G FPGA_LED5_R NetLED2_K NetLED3_K NetLED4_K NetLED5_K NetLED6_3 NetLED6_4
net class VCC1P1: VCC1P1
net class VCC1P5: VCC1P5
net class VCC2P5: VCC2P5
net class VCC5P0: VCC5P0
net class VCC3P3: VCC3P3
net class FPGA_SPI0: FPGA_SPI0_LMS1_SS FPGA_SPI0_MISO_LMS1 FPGA_SPI0_MOSI FPGA_SPI0_SCLK NetC1_1 NetIC1_D28 NetIC1_F28 NetIC1_F30
net class RF_SW_CTRL: RF_SW_V1 RF_SW_V2 RF_SW_V3
component class 11_RSSI2: C270 C271 C272 C273 C274 C275 C276 C277 C278 C279 C280 C281 C282 C283 C284 C285 C286 C287 C288 C289 C290 C291 C292 C293 C294 C295 C296 C297 C298 C299 C300 C301 C302 C303 C304 C305 C306 C307 C308 C309 C310 C311 C312 C313 C314 C315 C316 C317 FR75 FR76 IC23 IC24 IC25 IC26 IC27 IC28 R114 R115 R116 R117 R118 R119 R120 R121 R122 R123 R124 R125 R126 R127 R128 R129 R130 R131 R132 R133 R134 R135 R136 R137 R138 R139 R140 R141 R142 R143 R144 R145 R146 R147 R148 R149 R150 R151 R152 R153
net class LMS1_RX2_BB_I: LMS1_RX2_BB_I_P
net class LMS1_RX2_BB_Q: LMS1_RX2_BB_Q_N LMS1_RX2_BB_Q_P
net class LMS2_RX1_BB_I: LMS2_RX1_BB_I_P
net class LMS2_RX1_BB_Q: LMS2_RX1_BB_Q_N LMS2_RX1_BB_Q_P
net class LMS2_RX2_BB_I: LMS2_RX2_BB_I_P
net class LMS2_RX2_BB_Q: LMS2_RX2_BB_Q_N LMS2_RX2_BB_Q_P
net class RxPLL_CLK: LMS1_RXPLL_CLK LMS2_RXPLL_CLK
net class TxPLL_CLK: LMS1_TXPLL_CLK LMS2_TXPLL_CLK
differential pair LMS2_RX2_BB_Q_ADC: +LMS2_RX2_BB_Q_ADC_P -LMS2_RX2_BB_Q_ADC_N
differential pair LMS2_RX1_BB_Q_ADC: +LMS2_RX1_BB_Q_ADC_P -LMS2_RX1_BB_Q_ADC_N
differential pair LMS1_RX2_BB_Q_ADC: +LMS1_RX2_BB_Q_ADC_P -LMS1_RX2_BB_Q_ADC_N
differential pair LMS1_RX1_BB_Q_ADC: +LMS1_RX1_BB_Q_ADC_P -LMS1_RX1_BB_Q_ADC_N
differential pair LMS2_RX2_BB_Q_DET: +LMS2_RX2_BB_Q_DET_P -LMS2_RX2_BB_Q_DET_N
differential pair LMS2_RX2_BB_I_DET: +LMS2_RX2_BB_I_DET_P -LMS2_RX2_BB_I_DET_N
differential pair LMS2_RX2_BB_I_ADC: +LMS2_RX2_BB_I_ADC_P -LMS2_RX2_BB_I_ADC_N
differential pair LMS2_RX1_BB_Q_DET: +LMS2_RX1_BB_Q_DET_P -LMS2_RX1_BB_Q_DET_N
differential pair LMS2_RX1_BB_I_DET: +LMS2_RX1_BB_I_DET_P -LMS2_RX1_BB_I_DET_N
differential pair LMS2_RX1_BB_I_ADC: +LMS2_RX1_BB_I_ADC_P -LMS2_RX1_BB_I_ADC_N
differential pair LMS1_RX2_BB_I_ADC: +LMS1_RX2_BB_I_ADC_P -LMS1_RX2_BB_I_ADC_N
differential pair LMS1_RX1_BB_Q_DET: +LMS1_RX1_BB_Q_DET_P -LMS1_RX1_BB_Q_DET_N
differential pair LMS1_RX1_BB_I_DET: +LMS1_RX1_BB_I_DET_P -LMS1_RX1_BB_I_DET_N
differential pair LMS1_RX1_BB_I_ADC: +LMS1_RX1_BB_I_ADC_P -LMS1_RX1_BB_I_ADC_N
differential pair EXT_GXB_TX7: +EXT_GXB_TX7_P -EXT_GXB_TX7_N
differential pair EXT_GXB_TX7_IC: +EXT_GXB_TX7_IC_P -EXT_GXB_TX7_IC_N
differential pair EXT_GXB_TX6: +EXT_GXB_TX6_P -EXT_GXB_TX6_N
differential pair EXT_GXB_TX6_IC: +EXT_GXB_TX6_IC_P -EXT_GXB_TX6_IC_N
differential pair EXT_GXB_RX7: +EXT_GXB_RX7_P -EXT_GXB_RX7_N
differential pair EXT_GXB_RX7_IC: +EXT_GXB_RX7_IC_P -EXT_GXB_RX7_IC_N
differential pair EXT_GXB_RX6: +EXT_GXB_RX6_P -EXT_GXB_RX6_N
differential pair EXT_GXB_RX6_IC: +EXT_GXB_RX6_IC_P -EXT_GXB_RX6_IC_N
differential pair EXT_GXB_CLK_IC: +EXT_GXB_CLK_IC_P -EXT_GXB_CLK_IC_N
differential pair DDR3_TOP_DQS3: +DDR3_TOP_DQS3_P -DDR3_TOP_DQS3_N
differential pair DDR3_TOP_DQS2: +DDR3_TOP_DQS2_P -DDR3_TOP_DQS2_N
differential pair DDR3_BOT_DQS1: +DDR3_BOT_DQS1_P -DDR3_BOT_DQS1_N
differential pair DDR3_BOT_DQS0: +DDR3_BOT_DQS0_P -DDR3_BOT_DQS0_N
differential pair EGC: +EGC_P -EGC_N
differential pair LMS1_TX1_BB_Q: +LMS1_TX1_BB_Q_P -LMS1_TX1_BB_Q_N